# Altium PCB druino_uno_pcb.PcbDoc (part 1 of 3) (continued)
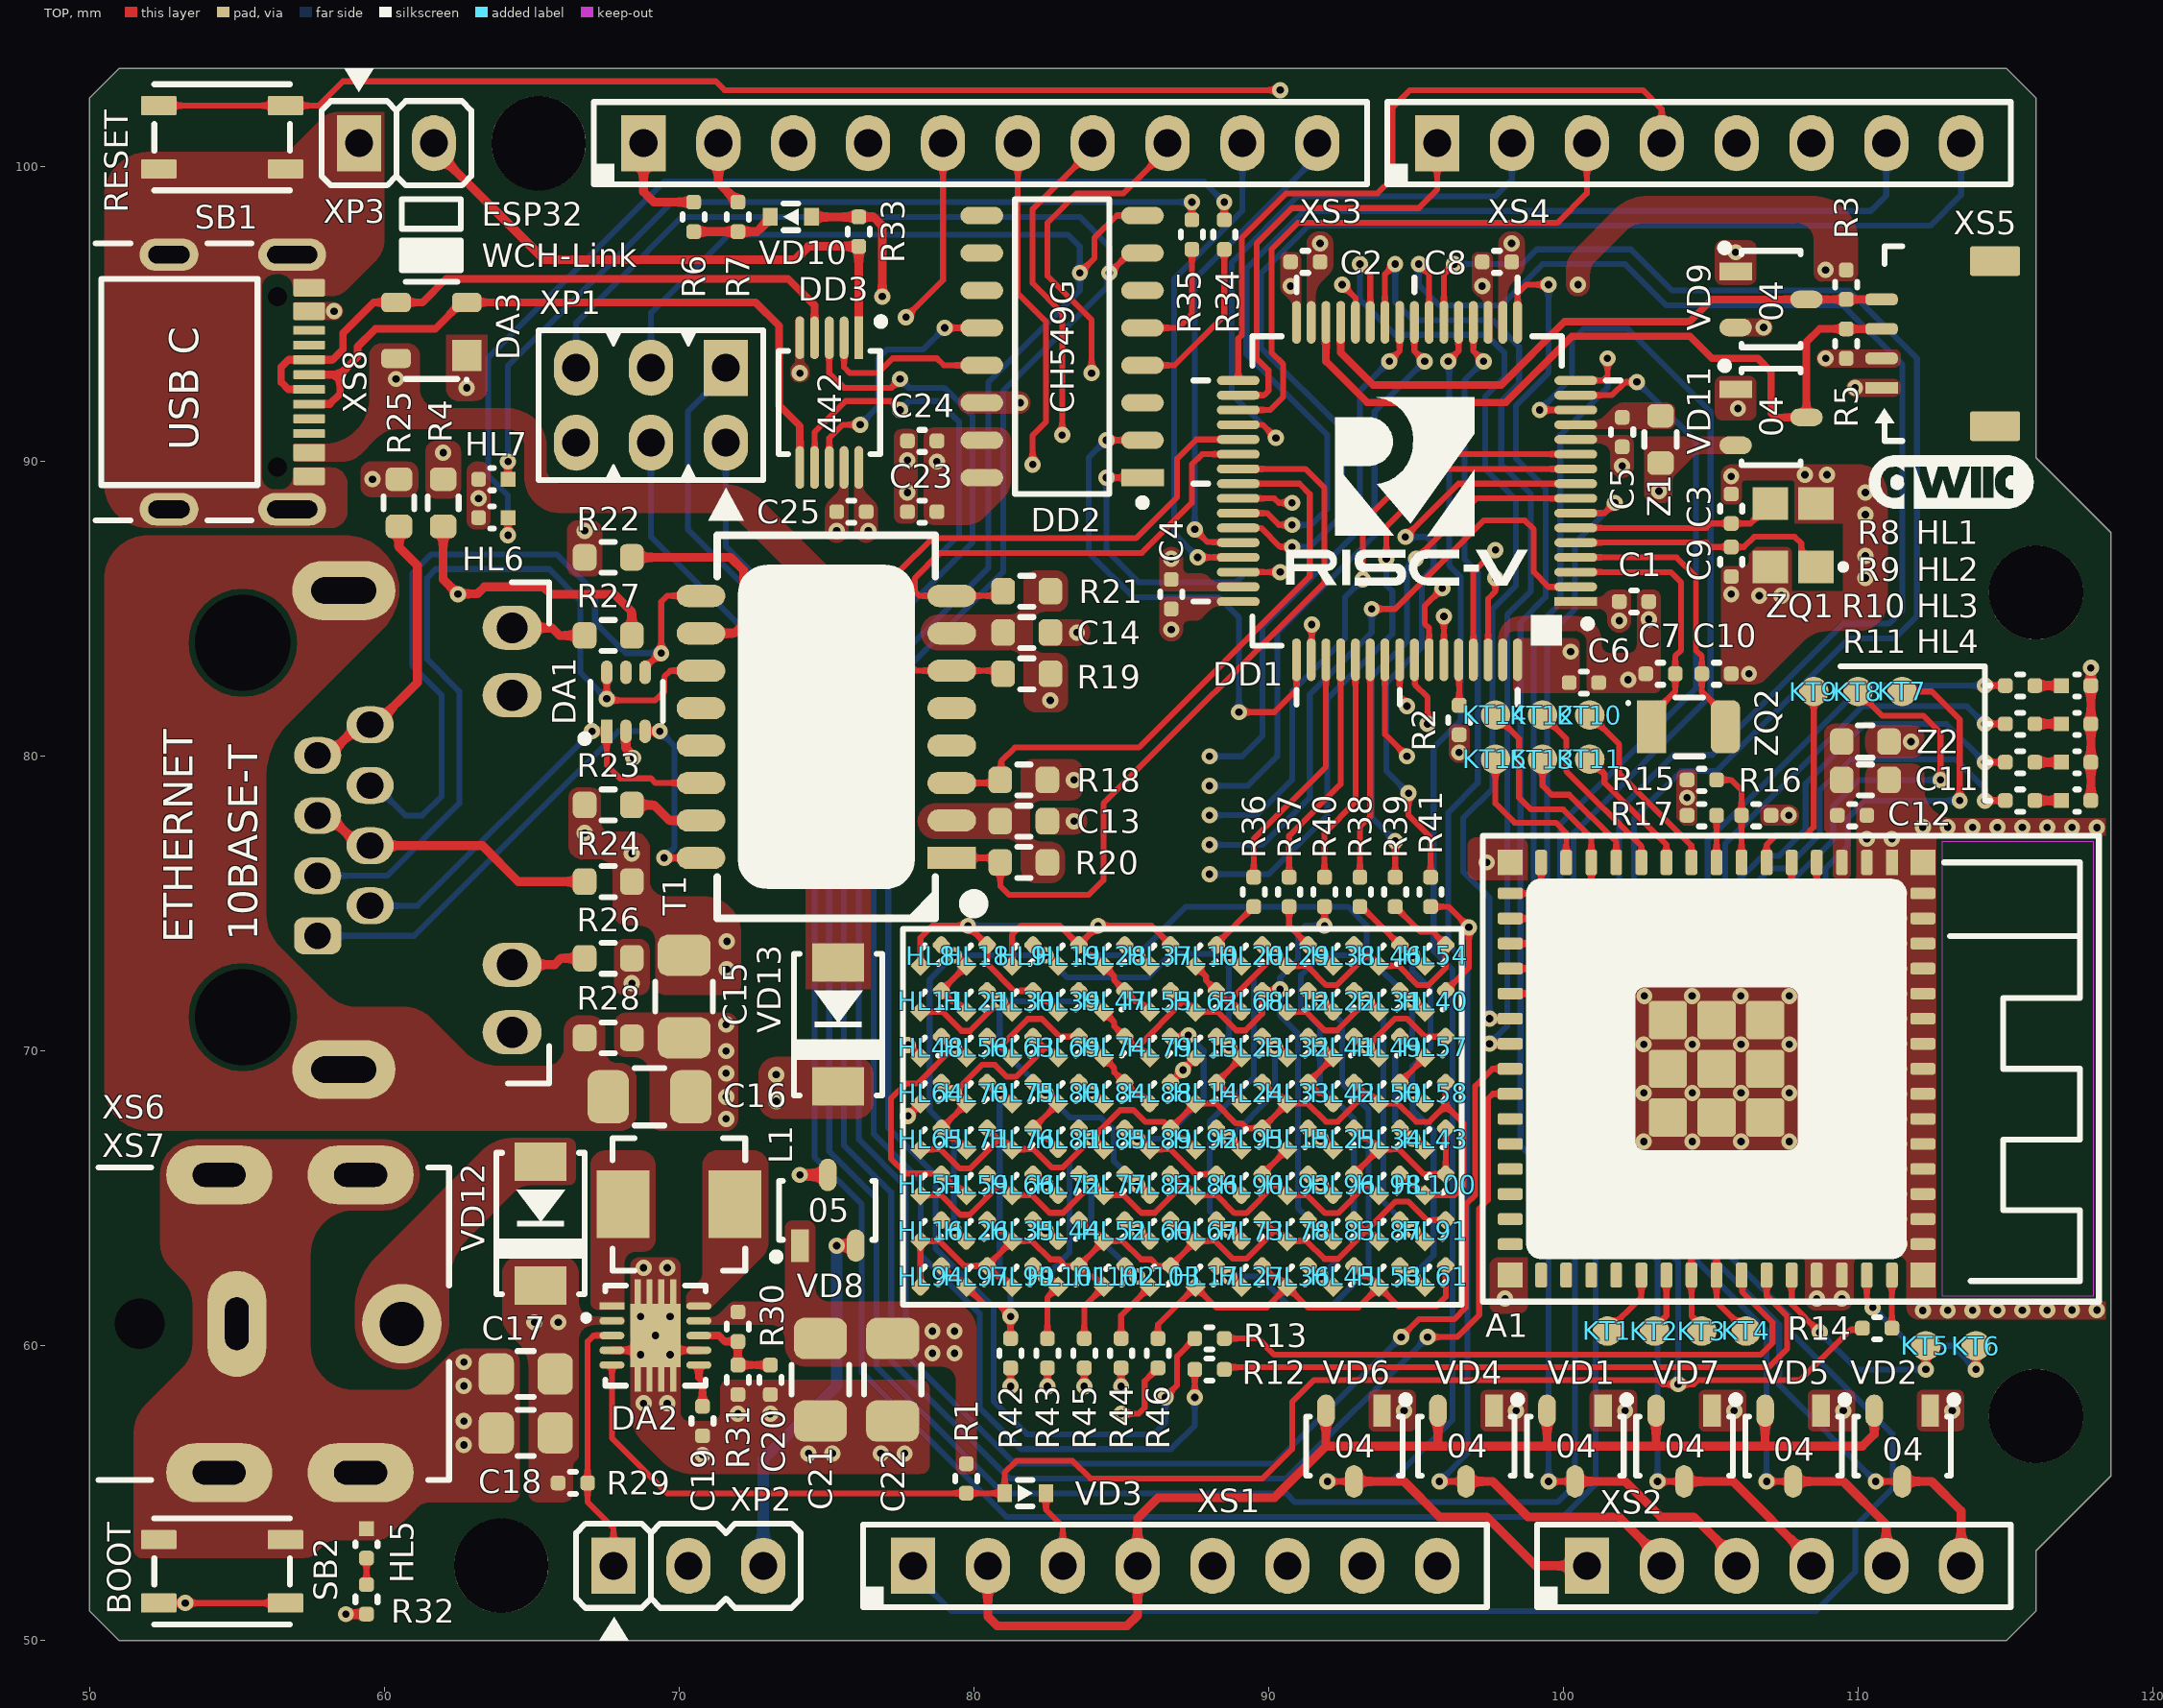
[diagram p0: TOP view]
## Components (designator, comment, footprint, x,y, rotation, side; value= is the part's Value field where it differs from the comment)
A1 "ESP32-S3-MINI-1-N8" ESP32-S3-MINI-1 107.725,69.4 r270 top locked
C1 "0.1u" CAP0402 102.4,85.25 r0 top
C2 "0.1u" CAP0402 91.25,96.775 r0 top
C3 "12p" CAP0402 105.7,88.4 r90 top
C4 "0.1u" CAP0402 86.7,85.5 r90 top
C5 "0.1u" CAP0402 102,91 r270 top
C6 "0.1u" CAP0402 100.7,82.5 r0 top
C7 "12p" CAP0402 103.3,82.8 r0 top
C8 "0.1u" CAP0402 97.75,96.775 r0 top
C9 "12p" CAP0402 105.7,86.6 r270 top
C10 "12p" CAP0402 105.2,82.8 r180 top
C11 "1u" CAP0603 110.25,79.2 r180 top
C12 "0.1u" CAP0402 109.8,78 r0 top
C13 "0.047u" CAP0603 81.7,77.8 r180 top
C14 "0.047u" CAP0603 81.8,84.2 r180 top
C15 "2200p" CAP1206-1.0 70.15,71.85 r270 top
C16 "4700p" CAP1206-1.4 69,68.475 r180 top
C17 "10u" CAP0805-0.75 64.8,59.05 r0 top
C18 "10u" CAP0805-0.75 64.8,57.05 r0 top
C19 "0.1u" CAP0402 70.8,57.45 r270 top
C20 "12p" CAP0402 73.1,58.85 r270 top
C21 "22u" CAP1206-1.8 74.825,58.85 r90 top
C22 "22u" CAP1206-1.8 77.275,58.85 r90 top
C23 "0.1u" CAP0402 78.25,88.3 r180 top
C24 "0.1u" CAP0402 78.25,90.7 r180 top
C25 "0.1u" CAP0402 75.85,88.3 r180 top
DA1 "TPD4E1U06DCKR" SC70-6 68.2,81.85 r90 top
DA2 "TPS63060DSC" PWSON-10 69.2,60.35 r270 top
DA3 "PRTR5V0U2X" SOT143 61.6,94.45 r180 top
DD1 "CH32V307RCT6" LQFP64M 94.7,89 r90 top locked
DD2 "CH549G" SOIC-16 83,93.9 r180 top locked
DD3 "CH442E" MSOP-10 75.1,92 r270 top
HL1 "KPHHS-1005ZGC-V" LED0402G525 117.4,82.4 r0 top
HL2 "KPHHS-1005ZGC-V" LED0402G525 117.4,81.1 r0 top
HL3 "KPHHS-1005ZGC-V" LED0402G525 117.4,79.8 r0 top
HL4 "KPHHS-1005ZGC-V" LED0402G525 117.4,78.5 r0 top
HL5 "KPHHS-1005ZGC-V" LED0402G525 59.4,53.3 r270 top
HL6 "KPHHS-1005SURCK" LED0402R 63.7,88.1 r180 top
HL7 "KPHHS-1005QBC-D-V" LED0402B#1 63.7,89.4 r180 top
HL8 "KPHHS-1005QBC-D-V" LED0402B#1 78.546,73.246 r45 top
HL9 "KPHHS-1005QBC-D-V" LED0402B#1 81.658,73.246 r45 top
HL10 "KPHHS-1005QBC-D-V" LED0402B#1 87.88,73.246 r45 top
HL11 "KPHHS-1005QBC-D-V" LED0402B#1 78.546,71.691 r45 top
HL12 "KPHHS-1005QBC-D-V" LED0402B#2 90.991,71.691 r45 top
HL13 "KPHHS-1005QBC-D-V" LED0402B#2 87.88,70.135 r45 top
HL14 "KPHHS-1005QBC-D-V" LED0402B#1 87.88,68.579 r45 top
HL15 "KPHHS-1005QBC-D-V" LED0402B#1 90.991,67.024 r45 top
HL16 "KPHHS-1005QBC-D-V" LED0402B#1 78.546,63.913 r45 top
HL17 "KPHHS-1005QBC-D-V" LED0402B#1 87.88,62.357 r45 top
HL18 "KPHHS-1005QBC-D-V" LED0402B#1 80.102,73.246 r45 top
HL19 "KPHHS-1005QBC-D-V" LED0402B#1 83.213,73.246 r45 top
HL20 "KPHHS-1005QBC-D-V" LED0402B#1 89.436,73.246 r45 top
HL21 "KPHHS-1005QBC-D-V" LED0402B#1 80.102,71.691 r45 top
HL22 "KPHHS-1005QBC-D-V" LED0402B#2 92.547,71.691 r45 top
HL23 "KPHHS-1005QBC-D-V" LED0402B#1 89.436,70.135 r45 top
HL24 "KPHHS-1005QBC-D-V" LED0402B#1 89.436,68.579 r45 top
HL25 "KPHHS-1005QBC-D-V" LED0402B#1 92.547,67.024 r45 top
HL26 "KPHHS-1005QBC-D-V" LED0402B#2 80.102,63.913 r45 top
HL27 "KPHHS-1005QBC-D-V" LED0402B#1 89.436,62.357 r45 top
HL28 "KPHHS-1005QBC-D-V" LED0402B#1 84.769,73.246 r45 top
HL29 "KPHHS-1005QBC-D-V" LED0402B#2 90.991,73.246 r45 top
HL30 "KPHHS-1005QBC-D-V" LED0402B#1 81.658,71.691 r45 top
HL31 "KPHHS-1005QBC-D-V" LED0402B#1 94.103,71.691 r45 top
HL32 "KPHHS-1005QBC-D-V" LED0402B#1 90.991,70.135 r45 top
HL33 "KPHHS-1005QBC-D-V" LED0402B#1 90.991,68.579 r45 top
HL34 "KPHHS-1005QBC-D-V" LED0402B#1 94.103,67.024 r45 top
HL35 "KPHHS-1005QBC-D-V" LED0402B#1 81.658,63.913 r45 top
HL36 "KPHHS-1005QBC-D-V" LED0402B#1 90.991,62.357 r45 top
HL37 "KPHHS-1005QBC-D-V" LED0402B#1 86.325,73.246 r45 top
HL38 "KPHHS-1005QBC-D-V" LED0402B#1 92.547,73.246 r45 top
HL39 "KPHHS-1005QBC-D-V" LED0402B#1 83.213,71.691 r45 top
HL40 "KPHHS-1005QBC-D-V" LED0402B#1 95.658,71.691 r45 top
HL41 "KPHHS-1005QBC-D-V" LED0402B#1 92.547,70.135 r45 top
HL42 "KPHHS-1005QBC-D-V" LED0402B#2 92.547,68.579 r45 top
HL43 "KPHHS-1005QBC-D-V" LED0402B#1 95.658,67.024 r45 top
HL44 "KPHHS-1005QBC-D-V" LED0402B#2 83.213,63.913 r45 top
HL45 "KPHHS-1005QBC-D-V" LED0402B#1 92.547,62.357 r45 top
HL46 "KPHHS-1005QBC-D-V" LED0402B#1 94.103,73.246 r45 top
HL47 "KPHHS-1005QBC-D-V" LED0402B#1 84.769,71.691 r45 top
HL48 "KPHHS-1005QBC-D-V" LED0402B#1 78.546,70.135 r45 top
HL49 "KPHHS-1005QBC-D-V" LED0402B#1 94.103,70.135 r45 top
HL50 "KPHHS-1005QBC-D-V" LED0402B#1 94.103,68.579 r45 top
HL51 "KPHHS-1005QBC-D-V" LED0402B#1 78.546,65.468 r45 top
HL52 "KPHHS-1005QBC-D-V" LED0402B#1 84.769,63.913 r45 top
HL53 "KPHHS-1005QBC-D-V" LED0402B#1 94.103,62.357 r45 top
HL54 "KPHHS-1005QBC-D-V" LED0402B#1 95.658,73.246 r45 top
HL55 "KPHHS-1005QBC-D-V" LED0402B#1 86.325,71.691 r45 top
HL56 "KPHHS-1005QBC-D-V" LED0402B#1 80.102,70.135 r45 top
HL57 "KPHHS-1005QBC-D-V" LED0402B#1 95.658,70.135 r45 top
HL58 "KPHHS-1005QBC-D-V" LED0402B#2 95.658,68.579 r45 top
HL59 "KPHHS-1005QBC-D-V" LED0402B#1 80.102,65.468 r45 top
HL60 "KPHHS-1005QBC-D-V" LED0402B#2 86.325,63.913 r45 top
HL61 "KPHHS-1005QBC-D-V" LED0402B#1 95.658,62.357 r45 top
HL62 "KPHHS-1005QBC-D-V" LED0402B#1 87.88,71.691 r45 top
HL63 "KPHHS-1005QBC-D-V" LED0402B#1 81.658,70.135 r45 top
HL64 "KPHHS-1005QBC-D-V" LED0402B#1 78.546,68.58 r45 top
HL65 "KPHHS-1005QBC-D-V" LED0402B#1 78.546,67.024 r45 top
HL66 "KPHHS-1005QBC-D-V" LED0402B#1 81.658,65.468 r45 top
HL67 "KPHHS-1005QBC-D-V" LED0402B#1 87.88,63.913 r45 top
HL68 "KPHHS-1005QBC-D-V" LED0402B#2 89.436,71.691 r45 top
HL69 "KPHHS-1005QBC-D-V" LED0402B#1 83.213,70.135 r45 top
HL70 "KPHHS-1005QBC-D-V" LED0402B#1 80.102,68.58 r45 top
HL71 "KPHHS-1005QBC-D-V" LED0402B#1 80.102,67.024 r45 top
HL72 "KPHHS-1005QBC-D-V" LED0402B#2 83.213,65.468 r45 top
HL73 "KPHHS-1005QBC-D-V" LED0402B#2 89.436,63.913 r45 top
HL74 "KPHHS-1005QBC-D-V" LED0402B#1 84.769,70.135 r45 top
HL75 "KPHHS-1005QBC-D-V" LED0402B#1 81.658,68.58 r45 top
HL76 "KPHHS-1005QBC-D-V" LED0402B#1 81.658,67.024 r45 top
HL77 "KPHHS-1005QBC-D-V" LED0402B#1 84.769,65.468 r45 top
HL78 "KPHHS-1005QBC-D-V" LED0402B#1 90.991,63.913 r45 top
HL79 "KPHHS-1005QBC-D-V" LED0402B#1 86.325,70.135 r45 top
HL80 "KPHHS-1005QBC-D-V" LED0402B#1 83.213,68.58 r45 top
HL81 "KPHHS-1005QBC-D-V" LED0402B#2 83.213,67.024 r45 top
HL82 "KPHHS-1005QBC-D-V" LED0402B#2 86.325,65.468 r45 top
HL83 "KPHHS-1005QBC-D-V" LED0402B#2 92.547,63.913 r45 top
HL84 "KPHHS-1005QBC-D-V" LED0402B#1 84.769,68.58 r45 top
HL85 "KPHHS-1005QBC-D-V" LED0402B#1 84.769,67.024 r45 top
HL86 "KPHHS-1005QBC-D-V" LED0402B#1 87.88,65.468 r45 top
HL87 "KPHHS-1005QBC-D-V" LED0402B#1 94.103,63.913 r45 top
HL88 "KPHHS-1005QBC-D-V" LED0402B#2 86.325,68.58 r45 top
HL89 "KPHHS-1005QBC-D-V" LED0402B#1 86.325,67.024 r45 top
HL90 "KPHHS-1005QBC-D-V" LED0402B#2 89.436,65.468 r45 top
HL91 "KPHHS-1005QBC-D-V" LED0402B#1 95.658,63.912 r45 top
HL92 "KPHHS-1005QBC-D-V" LED0402B#1 87.88,67.024 r45 top
HL93 "KPHHS-1005QBC-D-V" LED0402B#1 90.991,65.468 r45 top
HL94 "KPHHS-1005QBC-D-V" LED0402B#2 78.546,62.357 r45 top
HL95 "KPHHS-1005QBC-D-V" LED0402B#1 89.436,67.024 r45 top
HL96 "KPHHS-1005QBC-D-V" LED0402B#2 92.547,65.468 r45 top
HL97 "KPHHS-1005QBC-D-V" LED0402B#1 80.102,62.357 r45 top
HL98 "KPHHS-1005QBC-D-V" LED0402B#1 94.103,65.468 r45 top
HL99 "KPHHS-1005QBC-D-V" LED0402B#1 81.658,62.357 r45 top
HL100 "KPHHS-1005QBC-D-V" LED0402B#1 95.658,65.468 r45 top
HL101 "KPHHS-1005QBC-D-V" LED0402B#1 83.213,62.357 r45 top
HL102 "KPHHS-1005QBC-D-V" LED0402B#1 84.769,62.357 r45 top
HL103 "KPHHS-1005QBC-D-V" LED0402B#1 86.325,62.357 r45 top
KT1 "TEST_PAD" TEST_PAD_R1mm 101.5,60.5 r0 top net-tie
KT2 "TEST_PAD" TEST_PAD_R1mm 103.1,60.5 r90 top net-tie
KT3 "TEST_PAD" TEST_PAD_R1mm 104.7,60.5 r90 top net-tie
KT4 "TEST_PAD" TEST_PAD_R1mm 106.2,60.5 r90 top net-tie
KT5 "TEST_PAD" TEST_PAD_R1mm 112.3,60 r90 top net-tie
KT6 "TEST_PAD" TEST_PAD_R1mm 114,60 r90 top net-tie
KT7 "TEST_PAD" TEST_PAD_R1mm 111.5,82.2 r90 top net-tie
KT8 "TEST_PAD" TEST_PAD_R1mm 110,82.2 r90 top net-tie
KT9 "TEST_PAD" TEST_PAD_R1mm 108.5,82.2 r90 top net-tie
KT10 "TEST_PAD" TEST_PAD_R1mm 100.9,81.4 r90 top net-tie
KT11 "TEST_PAD" TEST_PAD_R1mm 100.9,79.9 r90 top net-tie
KT12 "TEST_PAD" TEST_PAD_R1mm 99.3,81.4 r90 top net-tie
KT13 "TEST_PAD" TEST_PAD_R1mm 99.3,79.9 r90 top net-tie
KT14 "TEST_PAD" TEST_PAD_R1mm 97.7,81.4 r90 top net-tie
KT15 "TEST_PAD" TEST_PAD_R1mm 97.7,79.9 r90 top net-tie
L1 "IHLP2020BZERR22M01" IHLP1616 70,64.8 r0 top
R1 "10k" RES0402B 79.75,55.5 r270 top
R2 "0" RES0402B 96.469,81.231 r270 top
R3 "4.7k" RES0402B 109.6,96 r270 top
R4 "4.7k" RES0603B 62,88.6 r90 top
R5 "4.7k" RES0402B 109.6,94 r90 top
R6 "4.7k" RES0402B 70.5,98.3 r90 top
R7 "4.7k" RES0402B 72,98.3 r90 top
R8 "560" RES0402B 115.5,82.4 r180 top
R9 "560" RES0402B 115.5,81.1 r180 top
R10 "560" RES0402B 115.5,79.8 r180 top
R11 "560" RES0402B 115.5,78.5 r180 top
R12 "0" RES0402B 88,59.2 r0 top
R13 "0" RES0402B 88,60.25 r0 top
R14 "0" RES0402B 110.65,60.6 r180 top
R15 "100k" RES0402B 104.7,79.2 r0 top
R16 "100k" RES0402B 106.55,78 r0 top
R17 "100k" RES0402B 104.7,78 r0 top
R18 "51" RES0603B 81.7,79.2 r0 top
R19 "51" RES0603B 81.8,82.8 r180 top
R20 "51" RES0603B 81.7,76.4 r0 top
R21 "51" RES0603B 81.8,85.6 r180 top
R22 "75" RES0603B 67.6,86.75 r0 top
R23 "75" RES0603B 67.6,78.35 r0 top
R24 "75" RES0603B 67.6,75.75 r180 top
R25 "75" RES0603B 60.5,88.6 r270 top
R26 "750" RES0603B 67.6,73.15 r0 top
R27 "560" RES0603B 67.6,84.1 r0 top
R28 "1M" RES0603B 67.6,70.45 r180 top
R29 "10k" RES0402B 66.4,55.35 r0 top
R30 "100k" RES0402B 72,60.65 r270 top
R31 "18k" RES0402B 72,58.85 r270 top
R32 "560" RES0402B 59.4,51.4 r270 top
R33 "10k" RES0402B 76.1,97.8 r270 top
R34 "750" RES0402B 88.5,97.7 r270 top
R35 "560" RES0402B 87.4,97.7 r270 top
R36 "330" RES0402B 89.5,75.4 r90 top
R37 "330" RES0402B 90.7,75.4 r90 top
R38 "330" RES0402B 93.1,75.4 r90 top
R39 "330" RES0402B 94.3,75.4 r90 top
R40 "330" RES0402B 91.9,75.4 r90 top
R41 "330" RES0402B 95.5,75.4 r90 top
R42 "330" RES0402B 81.25,59.75 r270 top
R43 "330" RES0402B 82.5,59.75 r270 top
R44 "330" RES0402B 85,59.75 r270 top
R45 "330" RES0402B 83.75,59.75 r270 top
R46 "330" RES0402B 86.25,59.75 r270 top
SB1 "KLS7-TS3401- 2.5-180" TVAF11 54.5,101 r180 top locked
SB2 "KLS7-TS3401- 2.5-180" TVAF11 54.5,52.35 r180 top locked
T1 "H1102NL" H1102NL 75,81 r90 top
VD1 "BAS70-04" SOT23-3 100.4,56.6 r270 top
VD2 "BAS70-04" SOT23-3 111.5,56.6 r270 top
VD3 "BAS516,115" SOD-523 81.75,55 r180 top
VD4 "BAS70-04" SOT23-3 96.7,56.6 r270 top
VD5 "BAS70-04" SOT23-3 107.8,56.6 r270 top
VD6 "BAS70-04" SOT23-3 92.9,56.6 r270 top
VD7 "BAS70-04" SOT23-3 104.1,56.6 r270 top
VD8 "BAS70-05" SOT23-3 75.05,64.6 r90 top
VD9 "BAS70-04" SOT23-3 107.05,95.5 r0 top
VD10 "BAS516,115" SOD-523 73.8,98.3 r0 top
VD11 "BAS70-04" SOT23-3 107.05,91.5 r0 top
VD12 "SS34F" SMA-FL 65.3,64.15 r90 top
VD13 "SS34F" SMA-FL 75.4,70.9 r90 top
XP1 "PLD-6" PLD-6 69.05,91.91 r90 top
XP2 "PLS3" PLS-3 67.78,52.54 r270 top locked
XP3 "PLS2" PLS-2 59.144,100.8 r270 top locked
XS1 "DS1023-1x8S21" PBS-8(BLUE) 86.87,52.54 r90 top locked
XS2 "DS1023-1x6S21" PBS-6(blue) 107.19,52.54 r90 top locked
XS3 "DS1023-1x10S21" PBS-10(BLUE) 80.266,100.8 r90 top locked
XS4 "DS1023-1x8S21" PBS-8(BLUE) 104.65,100.8 r90 top locked
XS5 "SM04B-SRSS-TB(LF)(SN)" SM04B-SRSS-TB 113,94 r90 top locked
XS6 "KLS12-108-8P8C-1X1-2-R/G-0-01" L-KLS12-108-8P8C_SLOTS 55.2,77.5 r270 top
XS7 "DC-042C-Z-2.0" DC-042C-Z-2.0 55.365,60.75 r90 top locked
XS8 "GT-USB-7010ASV" GT-USB-7010ASV 54,92.7 r270 top locked
Z1 "BLM18HE152SN1D" BLM0603C 103.3,90.75 r90 top
Z2 "BLM18HE152SN1D" BLM0603C 110.25,80.5 r0 top
ZQ1 "X32258MOB4SI" SMD3225 107.8,87.5 r90 top
ZQ2 "X321532768KGD2SI" YST310S 104.25,81 r0 top

## Footprints (in the part's own frame and the unit in brackets; to place one, negate y for a bottom-side part, rotate by r counter-clockwise, add the part's x,y. Pads: shape width x height; smd on the part's side, far side on the other; paste and mask are expansions set on the pad)
BLM0603C [mm] "Filter 0603"
  rrect50% 0.8x0.9 smd mask+0.05: 1(-0.8,0) 2(0.8,0)
  silkscreen extent -0.25,-0.55 0.25,0.55, body extent -0.8,-0.4 0.8,0.4, height 0.8
CAP0402 [mm]
  rrect50% 0.5x0.5 smd mask+0.08: 1(-0.5,0) 2(0.5,0)
  silkscreen extent -0.1,-0.38 0.1,0.38, body extent -0.5,-0.26 0.5,0.26, height 0.52
CAP0603 [mm] "Capacitor 0603"
  rrect50% 0.8x0.9 smd: 1(-0.8,0) 2(0.8,0)
  silkscreen extent -0.23,-0.53 0.23,0.53, body extent -0.8,-0.41 0.8,0.41, height 0.82
CAP0805-0.75 [mm] "Capacitor 0805"
  rrect50% 1.2x1.4 smd: 1(-1,-0.005) 2(1,-0.005)
  silkscreen extent -0.28,-0.78 0.28,0.77, body extent -1,-0.64 1,0.64, height 1.27
CAP1206-1.0 [mm] "Capacitor 1206"
  rrect50% 1.4x1.8 smd: 1(-1.4,0.025) 2(1.4,0.025)
  silkscreen extent -0.5,-0.95 0.5,1, body extent -1.6,-0.8 1.6,0.8, height 0.8
CAP1206-1.4 [mm] "Capacitor 1206"
  rrect50% 1.4x1.8 smd: 1(-1.4,0.025) 2(1.4,0.025)
  silkscreen extent -0.5,-0.95 0.5,1, body extent -1.6,-0.8 1.6,0.8, height 1.4
CAP1206-1.8 [mm] "Capacitor 1206"
  rrect50% 1.4x1.8 smd: 1(-1.4,0.025) 2(1.4,0.025)
  silkscreen extent -0.5,-0.95 0.5,1, body extent -1.6,-0.8 1.6,0.8, height 1.8
DC-042C-Z-2.0 [mm]
  oval 2x3.6 hole 0.8 slot 1.8 at 90 deg: 2(-5.05,-3.835) 2(-5.05,0.965) 2(5.05,-3.835) 2(5.05,0.965)
  oval 3.6x2 hole 0.8 slot 1.8 at 0 deg: 3(0,0.365)
  round 2.7 hole 1.5: 4(0,-5.235)
  round 0 hole 1.7 unplated: A.M2(0,3.665)
  silkscreen extent -5.3,-6.84 5.3,5.06, body extent -5,-6.56 5,6.57, height 10.05
ESP32-S3-MINI-1 [mm] "ESP32 SMT Module"
  rect 0.85x0.4 smd mask+0.05: 1(-7,3.425)
  rrect40% 0.85x0.4 smd mask+0.05: 2(-7,2.575) 3(-7,1.725) 4(-7,0.875) 5(-7,0.025) 6(-7,-0.825) 7(-7,-1.675) 8(-7,-2.525) 9(-7,-3.375) 10(-7,-4.225) 11(-7,-5.075) 12(-7,-5.925) 13(-7,-6.775) 14(-7,-7.625) 15(-7,-8.475) 31(7,-8.475) 32(7,-7.625) 33(7,-6.775) 34(7,-5.925) 35(7,-5.075) 36(7,-4.225) 37(7,-3.375) 38(7,-2.525) 39(7,-1.675) 40(7,-0.825) 41(7,0.025) 42(7,0.875) 43(7,1.725) 44(7,2.575) 45(7,3.425)
  rrect40% 0.4x0.85 smd mask+0.05: 16(-5.95,-9.525) 17(-5.1,-9.525) 18(-4.25,-9.525) 19(-3.4,-9.525) 20(-2.55,-9.525) 21(-1.7,-9.525) 22(-0.85,-9.525) 23(0,-9.525) 24(0.85,-9.525) 25(1.7,-9.525) 26(2.55,-9.525) 27(3.4,-9.525) 28(4.25,-9.525) 29(5.1,-9.525) 30(5.95,-9.525) 46(5.95,4.475) 47(5.1,4.475) 48(4.25,4.475) 49(3.4,4.475) 50(2.55,4.475) 51(1.7,4.475) 52(0.85,4.475) 53(0,4.475) 54(-0.85,4.475) 55(-1.7,4.475) 56(-2.55,4.475) 57(-3.4,4.475) 58(-4.25,4.475) 59(-5.1,4.475) 60(-5.95,4.475)
  rect 0.85x0.85 smd mask+0.05: EP(-7,-9.525) EP(-7,4.475) EP(7,4.475) EP(7,-9.525)
  rrect20% 1.3x1.3 smd mask+0.05: EP(-1.65,-0.875) EP(-1.65,-2.525) EP(-1.65,-4.175) EP(0,-0.875) EP(0,-2.525) EP(0,-4.175) EP(1.65,-2.525) EP(1.65,-0.875) EP(1.65,-4.175)
  silkscreen extent -7.9,-10.45 7.9,10.45, body extent -7.7,-10.25 7.7,10.25, height 2.4
GT-USB-7010ASV [mm] "USB 2.0 TYPE C"
  rect 0x0 hole 0.65 unplated paste+0 mask+0.05: 0(-2.89,2.38) 0(2.89,2.38)
  rrect20% 0.6x1.08 smd paste+0 mask+0.03: A1(-3.2,3.45) A4(-2.4,3.45) B1(3.2,3.45) B4(2.4,3.45)
  rrect20% 0.3x1.08 smd paste+0 mask+0.03: A5(-1.25,3.45) A6(-0.25,3.45) A7(0.25,3.45) A8(1.25,3.45) B5(1.75,3.45) B6(0.75,3.45) B7(-0.75,3.45) B8(-1.75,3.45)
  oval 1.1x2 hole 0.6 slot 1.4 at 90 deg paste+0 mask+0.05: M1(4.32,-1.3) M3(-4.32,-1.3)
  oval 1.1x2.3 hole 0.6 slot 1.7 at 90 deg paste+0 mask+0.05: M2(4.32,2.88) M4(-4.32,2.88)
  silkscreen extent -4.7,-3.8 4.7,1.7, body extent -4.47,-3.9 4.47,3.85, height 3.3
H1102NL [mm]
  rect 0.76x1.65 smd: 1(-4.445,-4.255)
  oval 0.76x1.65 smd: 2(-3.175,-4.255) 3(-1.905,-4.255) 4(-0.635,-4.255) 5(0.635,-4.255) 6(1.905,-4.255) 7(3.175,-4.255) 8(4.445,-4.255) 9(4.445,4.255) 10(3.175,4.255) 11(1.905,4.255) 12(0.635,4.255) 13(-0.635,4.255) 14(-1.905,4.255) 15(-3.175,4.255) 16(-4.445,4.255)
  silkscreen extent -6.5,-5.25 6.5,3.7, body extent -6.35,-4.76 6.35,4.76, height 5.96
IHLP1616 [mm]
  rect 1.8x2.3 smd paste-5: 1(-1.9,0) 2(1.9,0)
  silkscreen extent -2.25,-2.25 2.25,2.25, body extent -2.18,-2.03 2.18,2.03, height 2.07
L-KLS12-108-8P8C_SLOTS [mm] "Ethernet RJ-45 Socket"
  rrect50% 1.25x1.6 hole 0.9: 1(3.59,2.54)
  oval 1.25x1.6 hole 0.9: 2(2.57,4.32) 3(1.55,2.54) 4(0.53,4.32) 5(-0.49,2.54) 6(-1.51,4.32) 7(-2.53,2.54) 8(-3.57,4.32)
  oval 1.5x2 hole 1.05: 9(6.86,9.14) 10(4.57,9.14) 11(-4.57,9.14) 12(-6.86,9.14)
  oval 2x3.5 hole 0.9 slot 2.2 at 90 deg: M1(-8.125,3.43) M2(8.125,3.43)
  round 0 hole 3.25 unplated: M3(6.35,0) M4(-6.35,0)
  silkscreen extent -8.4,9 8.6,10.4, body extent -9.88,-5.89 9.88,10.56, height 15.23
LED0402B#1 [mm] "LED 0402 Blue"
  rect 0.5x0.5 smd mask+0.05: 1(-0.5,0)
  rrect50% 0.5x0.5 smd mask+0.05: 2(0.5,0)
  silkscreen extent -0.03,-0.38 0.1,0.38, body extent -0.5,-0.25 0.5,0.25, height 0.5
LED0402B#2 [mm] "LED 0402 Blue"
  rrect50% 0.5x0.5 smd mask+0.05: 1(-0.5,0) 2(0.5,0)
  silkscreen extent -0.03,-0.38 0.1,0.38, body extent -0.5,-0.25 0.5,0.25, height 0.5
LED0402G525 [mm] "LED 0402 Green 525nm"
  rect 0.5x0.5 smd mask+0.05: 1(-0.5,0)
  rrect50% 0.5x0.5 smd mask+0.05: 2(0.5,0)
  silkscreen extent -0.03,-0.38 0.1,0.38, body extent -0.5,-0.25 0.5,0.25, height 0.5
LED0402R [mm] "LED 0402 Red"
  rect 0.5x0.5 smd mask+0.05: 1(-0.5,0)
  rrect50% 0.5x0.5 smd mask+0.05: 2(0.5,0)
  silkscreen extent -0.03,-0.38 0.1,0.38, body extent -0.5,-0.25 0.5,0.25, height 0.5
LQFP64M [mm] "WCH LQFP64M package with 0.5mm pitch"
  rect 0.3x1.45 smd paste+0 mask+0.03: 1(-3.75,-5.725)
  oval 0.3x1.45 smd paste+0 mask+0.03: 2(-3.25,-5.725) 3(-2.75,-5.725) 4(-2.25,-5.725) 5(-1.75,-5.725) 6(-1.25,-5.725) 7(-0.75,-5.725) 8(-0.25,-5.725) 9(0.25,-5.725) 10(0.75,-5.725) 11(1.25,-5.725) 12(1.75,-5.725) 13(2.25,-5.725) 14(2.75,-5.725) 15(3.25,-5.725) 16(3.75,-5.725) 33(3.75,5.725) 34(3.25,5.725) 35(2.75,5.725) 36(2.25,5.725) 37(1.75,5.725) 38(1.25,5.725) 39(0.75,5.725) 40(0.25,5.725) 41(-0.25,5.725) 42(-0.75,5.725) 43(-1.25,5.725) 44(-1.75,5.725) 45(-2.25,5.725) 46(-2.75,5.725) 47(-3.25,5.725) 48(-3.75,5.725)
  oval 1.45x0.3 smd paste+0 mask+0.03: 17(5.725,-3.75) 18(5.725,-3.25) 19(5.725,-2.75) 20(5.725,-2.25) 21(5.725,-1.75) 22(5.725,-1.25) 23(5.725,-0.75) 24(5.725,-0.25) 25(5.725,0.25) 26(5.725,0.75) 27(5.725,1.25) 28(5.725,1.75) 29(5.725,2.25) 30(5.725,2.75) 31(5.725,3.25) 32(5.725,3.75) 49(-5.725,3.75) 50(-5.725,3.25) 51(-5.725,2.75) 52(-5.725,2.25) 53(-5.725,1.75) 54(-5.725,1.25) 55(-5.725,0.75) 56(-5.725,0.25) 57(-5.725,-0.25) 58(-5.725,-0.75) 59(-5.725,-1.25) 60(-5.725,-1.75) 61(-5.725,-2.25) 62(-5.725,-2.75) 63(-5.725,-3.25) 64(-5.725,-3.75)